# Altium PCB 通讯转换模块-V6.PcbDoc (part 2 of 2)
Units mm, origin at the board's own origin, x right, y up, seen from the top; angles counter-clockwise.
Board outline 99.4 x 81.85 mm, 2 copper layers (Top Layer, Bottom Layer), stack 1.571 mm thick; 126 components, 155 nets, 618 pads, 476 vias.
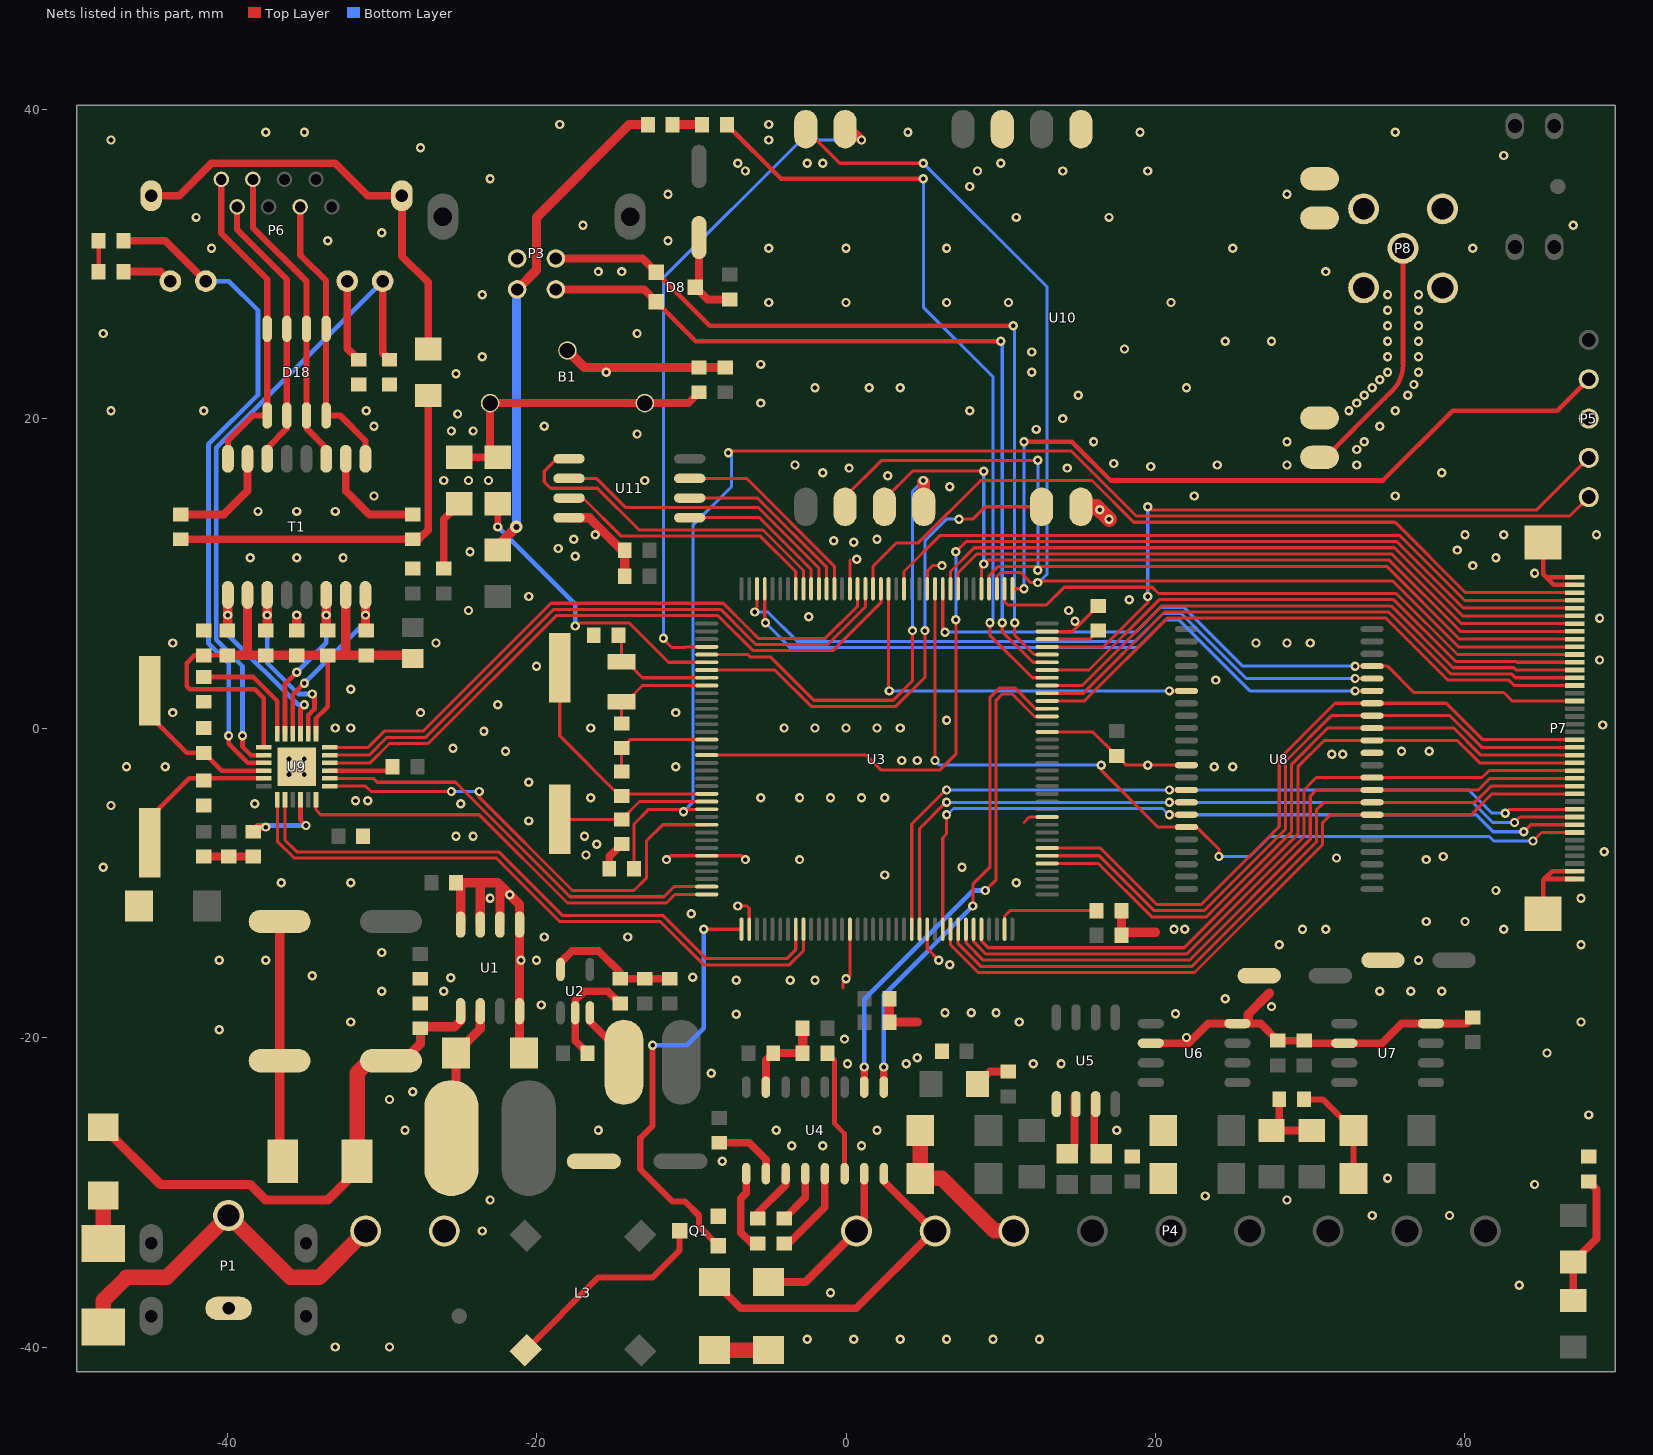
[diagram p2: the nets of this part, all layers, seen from the top]

## Via types
v1: diameter 0.6, hole 0.3, Top Layer to Bottom Layer, tented both sides, 467 vias
v2: diameter 0.8, hole 0.4, Top Layer to Bottom Layer, tented both sides, 9 vias

## Nets (pads, with @x,y where several pads share a name; then routed paths per layer and width w, separated by ;. In a path a pad name is that pad's centre, name@x,y a point inside that pad or via, vN(x,y) a via of type N, cw(c..) or ccw(c..) an arc to the next point about the centre after c; other vN are vias at no path point) (continued)
FSMC-D5: P7.10 U3.59 U8.14 | length 52.3
  Top Layer w0.2: U3.59@4.25,-13 4.25,-6.201 6.451,-4 v1(6.5,-4) ; v1(20.9,-4) U8.14@22,-4 ; v1(42.6,-5.5) 42.85,-5.25 46.95,-5.25 P7.10@46.9,-5.3
  Bottom Layer w0.2: v1@6.5,-4 v1(20.9,-4) 40.252,-4 41.751,-5.5 v1(42.6,-5.5)
FSMC-D6: P7.9 U3.60 U8.15 | length 51.2
  Top Layer w0.2: U3.60@4.75,-13 4.75,-6.501 6.451,-4.8 v1(6.5,-4.8) ; v1(20.9,-4.8) U8.15@22,-4.8 ; v1(43.2,-6.1) 43.55,-5.75 P7.9@46.95,-5.75
  Bottom Layer w0.2: v1@6.5,-4.8 v1(20.9,-4.8) 40.486,-4.8 41.786,-6.1 v1(43.2,-6.1)
FSMC-D7: P7.8 U3.63 U8.16 | length 50
  Top Layer w0.2: U3.63@6.25,-13 6.25,-7.1 6.5,-6.85 v1(6.5,-5.6) ; v1(20.9,-5.6) U8.16@22,-5.6 ; v1(43.8,-6.7) 44.25,-6.25 P7.8@46.95,-6.25
  Bottom Layer w0.2: v1(6.5,-5.6) 6.549,-5.6 6.948,-5.2 20.452,-5.2 20.852,-5.6 v1(20.9,-5.6) 40.721,-5.6 41.82,-6.7 v1(43.8,-6.7)
FSMC-D8: P7.12 U3.64 U8.29 | length 47.6
  Top Layer w0.2: U3.64@6.75,-13 6.75,-14.013 8.537,-15.8 22.525,-15.8 30.8,-7.525 30.8,-6.1 31.3,-5.6 U8.29@34,-5.6 40.4,-5.6 41.75,-4.25 P7.12@46.95,-4.25
FSMC-D9: P7.13 U3.65 U8.30 | length 47.3
  Top Layer w0.2: U3.65@7.25,-13 7.25,-13.947 8.703,-15.4 22.36,-15.4 30.4,-7.36 30.4,-5.297 30.897,-4.8 U8.30@34,-4.8 40.634,-4.8 41.684,-3.75 P7.13@46.95,-3.75
FSMC-D10: P7.14 U3.66 U8.31 | length 47
  Top Layer w0.2: U3.66@7.75,-13 7.75,-13.881 8.869,-15 22.194,-15 30,-7.194 30,-4.4 30.4,-4 U8.31@34,-4 40.868,-4 41.619,-3.25 P7.14@46.95,-3.25
FSMC-D11: P7.15 U3.67 U8.32 | length 46.5
  Top Layer w0.2: U3.67@8.25,-13 8.25,-13.816 9.034,-14.6 22.028,-14.6 29.6,-7.028 29.6,-4 30.4,-3.2 U8.32@34,-3.2 41.103,-3.2 41.553,-2.75 P7.15@46.95,-2.75
FSMC-D12: P7.16 U3.68 U8.35 | length 47.8
  Top Layer w0.2: U3.68@8.75,-13 8.75,-13.75 9.2,-14.2 21.863,-14.2 29.2,-6.863 29.2,-2.497 30.897,-0.8 U8.35@34,-0.8 39.503,-0.8 40.953,-2.25 P7.16@46.95,-2.25
FSMC-D13: P7.17 U3.77 U8.36 | length 43.7
  Top Layer w0.2: U3.77@13,-8.75 16.304,-8.75 19.754,-12.2 23.297,-12.2 28.8,-6.697 28.8,-2.331 31.132,0 U8.36@34,0 39.268,0 41.019,-1.75 P7.17@46.95,-1.75
FSMC-D14: P7.18 U3.78 U8.37 | length 44
  Top Layer w0.2: U3.78@13,-8.25 16.37,-8.25 19.92,-11.8 23.131,-11.8 28.4,-6.531 28.4,-2.166 31.366,0.8 U8.37@34,0.8 39.034,0.8 41.084,-1.25 P7.18@46.95,-1.25
FSMC-D15: P7.19 U3.79 U8.38 | length 44.4
  Top Layer w0.2: U3.79@13,-7.75 16.436,-7.75 20.086,-11.4 22.966,-11.4 28,-6.366 28,-2 31.6,1.6 U8.38@34,1.6 38.8,1.6 41.15,-0.75 P7.19@46.95,-0.75
FSMC-NBL0: U3.141 U8.39 | length 44.7
  Top Layer w0.2: U3.141@-5.25,9 -5.25,6.85 v1(-5.2,6.8) ; v1(32.9,2.401) U8.39@34,2.401
  Bottom Layer w0.2: v1(-5.2,6.8) -3.601,5.201 5.985,5.201 ; 5.986,5.2 18.851,5.2 20.652,7.001 21.5,7.001 26.101,2.401 v1(32.9,2.401)
FSMC-NBL1: U3.142 U8.40 | length 44.9
  Top Layer w0.2: v1(-5.9,7.5) -5.8,7.5 -5.75,7.55 U3.142@-5.75,9 ; v1(32.9,3.201) U8.40@34,3.201
  Bottom Layer w0.2: v1@-5.9,7.4 v1(-5.9,7.5) -5.051,7.5 -3.152,5.601 6.151,5.601 ; 6.151,5.6 18.685,5.6 20.486,7.401 21.666,7.401 25.867,3.201 v1(32.9,3.201)
FSMC-NE3: U3.125 U8.6 | length 26
  Top Layer w0.2: U3.125@2.75,9 2.75,2.45 v1(2.8,2.4) ; v1(20.9,2.401) U8.6@22,2.401
  Bottom Layer w0.2: v1@2.601,2.401 v1(20.9,2.401)
FSMC-NE4: P7.38 U3.127 | length 52.1
  Top Layer w0.2: U3.127@1.75,9 1.75,10.45 3.266,11.966 4.671,11.966 8.705,16 15.9,16 18.6,13.3 35.488,13.3 40.038,8.75 P7.38@47.1,8.75
FSMC-NOE: P7.24 U3.118 U8.41 | length 46.7
  Top Layer w0.2: U3.118@6.25,9 6.25,6.35 v1(6.4,6.2) ; v1(32.9,4.001) U8.41@34,4.001 34.999,4.001 36.7,2.3 42.5,2.3 43.05,1.75 P7.24@47.1,1.75
  Bottom Layer w0.2: v1(6.4,6.2) 18.72,6.2 20.321,7.801 21.832,7.801 25.632,4.001 v1(32.9,4.001)
FSMC-NWE: P7.7 U3.119 U8.17 | length 56.1
  Top Layer w0.2: v1(5.75,-2.1) U3.119@5.75,9 ; v1@16.5,-2.5 16.5,-2.734 20.166,-6.401 U8.17@22,-6.401 22.666,-6.401 24.1,-7.834 v1(24.1,-8.3) ; v1(44.4,-7.3) 44.95,-6.75 P7.7@46.95,-6.75
  Bottom Layer w0.2: v1(5.75,-2.1) 6.05,-2.4 v1(16.5,-2.4) ; v1(24.1,-8.3) 26.1,-8.3 27.399,-7.001 41.555,-7.001 41.854,-7.3 v1(44.4,-7.3)
GND: B1.2 C1.2 C2.2 C3.2 C4.2 C5.1 C6.1 C7.1 C8.1 C9.1 C10.1 C12.1 C13.1 C14.1 C15.1 C16.1 C17.1 C18.1 C19.1 C20.1 C23.1 C25.1 C26.1 C27.1 C28.1 C29.2 C30.2 C31.2 C32.2 C33.1 C34.1 C35.1 C36.1 C37.2 C38.2 C40.1 C41.1 C42.1 C43.2 C44.2 C45.1 C46.1 D2.1 D3.1 D4.1 D8.3 D9.1 D10.1 D12.1 D13.1 D14.1 D15.1 D16.1 D17.1 P1.2 P2.2 P3.4 P4.3 P5.3 P7.1 P7.2 P7.39 P7.40 P7.41 P7.42 P8.2 Q1.2 R2.1 R4.1 R5.1 R10.1 R19.2 R23.2 R24.2 R25.2 R26.1 R27.2 U1.4 U1.5 U1.6 U1.7 U1.8 U2.2 U3.16 U3.31 U3.38 U3.51 U3.61 U3.83 U3.94 U3.107 U3.120 U3.130 U4.15 U5.5 U6.2 U6.8 U7.2 U7.8 U8.12 U8.34 U9.25 U10.1 U10.14 U10.16 U10.17 U10.18 U10.19 U11.4 | length 190.3
  Top Layer w0.2: C29.2@-14.5,-2.8 C32.2@-14.5,-1.3 -13.95,-0.75 U3.16@-9,-0.75 ; v1(-11.6,-8.5) -11.35,-8.25 U3.31@-9,-8.25 -6.75,-8.25 v1(-6.5,-8.5) ; v1(-7,-11.5) -6.4,-11.5 -6.25,-11.65 U3.38@-6.25,-13 ; -0.2,-16.8 -0.2,-16.5 0.25,-16.05 U3.51@0.25,-13 ; U3.130@0.25,9 0.25,10.85 ; U3.61@5.25,-13 5.25,-14.25 v1(6,-15) ; U3.120@5.25,9 5.25,10.15 5.6,10.5 v1(6.2,10.5) ; 11.5,-6.1 11.85,-5.75 U3.83@13,-5.75 ; U3.94@13,-0.25 15.95,-0.25 C14.1@17.5,-1.8 18.1,-2.4 U8.12@22,-2.4 ; U3.107@13,6.25 14.65,6.25 C27.1@16.3,7.9
  Top Layer w0.3: R26.1@-48.3,29.5 R25.2@-48.3,31.5 ; P7.42@45.05,-12 45.05,-9.832 45.132,-9.75 ; P7.41@45.05,12 45.05,9.95 45.75,9.25 P7.39@47.1,9.25 ; 45.25,9.75 P7.40@47.1,9.75 ; P7.1@47.1,-9.75 45.132,-9.75 ; P7.2@47.1,-9.25 45.632,-9.25 45.132,-9.75
  Top Layer w0.4: C45.1@29.6,-24 30.8,-24 D17.1@32.8,-26 D16.1@32.8,-29.1
  Top Layer w0.5: C40.1@-41.5,-8.3 R19.2@-38.3,-8.3 ; C7.1@-16.7,-21 -17.5,-20.2 U2.2@-17.5,-18.4 -17.5,-17.6 -16.9,-17 -15.4,-17 R2.1@-14.6,-17.8 ; C28.1@-15.3,-9.1 -15.3,-8.3 C30.2@-14.5,-7.5 ; C43.2@-9.5,31.7 -9.5,28.75 D8.3@-9.75,28.5 -8.95,27.7 C8.1@-7.5,27.7 ; U4.15@-5.175,-23.2 -5.175,-21.475 C23.1@-4.7,-21 C25.1@-2.8,-21 ; U6.2@19.7,-20.365 22.135,-20.365 23.405,-19.095 U6.8@25.3,-19.095 26,-19.095 26.795,-19.095 C12.1@27.9,-20.2 C9.1@29.6,-20.2 29.765,-20.365 U7.2@32.2,-20.365 34.635,-20.365 35.905,-19.095 U7.8@37.8,-19.095 40.105,-19.095 C42.1@40.5,-18.7
  Top Layer w0.6: C2.2@-36.6,-12.5 C1.2@-36.6,-21.5 -36.6,-27.8 D2.1@-36.4,-28 ; C35.1@-35.5,6.3 v1(-35.5,7.3) ; U1.8@-24.905,-12.7 -24.905,-10.295 C10.1@-25.2,-10 -22.5,-10 -22.365,-10.135 ; U1.7@-23.635,-12.7 -23.635,-10.215 ; U1.6@-22.365,-12.7 -22.365,-10.135 ; D4.1@-21.095,-20.705 U1.4@-21.095,-18.3 U1.5@-21.095,-12.7 -21.095,-11.405 -22.365,-10.135 ; B1.2@-18,24.4 -16.9,23.3 C20.1@-9.5,23.3 C13.1@-7.8,23.3 ; U11.4@-17.9,13.595 -16.595,13.595 -14.5,11.5 R4.1@-14.3,11.5 C18.1@-14.3,9.8 ; C25.1@-2.8,-21 R5.1@-2.8,-19.4 ; C17.1@2.8,-17.5 C36.1@2.8,-19 4.6,-19 ; C26.1@17.8,-11.8 C16.1@17.8,-13.4 18,-13.2 20,-13.2 ; U6.8@26,-19.095 26,-18.5 27.374,-17.126
  Top Layer w1: D10.1@-8.5,-40.2 D9.1@-5,-40.2 ; D13.1@4.8,-26 D12.1@4.8,-29.1 6.2,-29.1 9.6,-32.5 P4.3@10.84,-32.5 ; U10.1@15.18,14.3 16.2,14.3 v1(17,13.5)
  other v1: -33,-40 -29.5,-40 -2.5,-39.5 0.5,-39.5 3.5,-39.5 6.5,-39.5 9.5,-39.5 12.5,-39.5 -1,-36.5 43.5,-36 -23.5,-32.5 34,-31.5 39,-31.5 -23,-30.5 28.5,-30.5 23.208,-30.243 44.5,-29.5 35,-29.1 -8,-28 -3.5,-27 -1.5,-27 1,-27 -28.5,-26 -16,-26 -4.5,-26 2,-26 17.5,-26 48,-25 -29.5,-24 -28,-23.5 -8.7,-22.3 0.1,-21.7 3.9,-21.7 12.1,-21.7 13.9,-21.7 4.6,-21.3 45.3,-21 -0.1,-20.1 22,-20 -40.5,-19.5 -32,-19 11.2,-19 47.5,-19 -7.1,-18.5 21.294,-18.46 6.4,-18.4 8.1,-18.4 9.7,-18.4 27.5,-18 -19.7,-17.9 24.5,-17.5 -30,-17 -26,-17 34.5,-17 36.5,-17 38.5,-17 -7.1,-16.3 -3.6,-16.3 -2,-16.3 0,-16.2 -25.54,-16.135 -9.9,-16.1 -34.5,-16 6.7,-15.3 -40.5,-15 -37.5,-15 -21,-15 -20,-15 37,-15 -30,-14.5 28,-14 47.5,-14 -19.5,-13.5 -14.1,-13.5 21.2,-13 21.9,-13 29.5,-13 31,-13 42.5,-13 37.5,-12.5 40,-12.5 -10,-12 -23,-11 47.5,-11 -21.73,-10.77 42,-10.5 -36.5,-10 -32,-10 11,-10 2.5,-9.5 -48,-9 7.5,-9 -3,-8.5 37.5,-8.5 31.7,-8.4 38.6,-8.3 -16.8,-8.2 49,-8 -16.1,-7.5 -25.2,-7 -24.1,-7 -16.9,-7 -20.5,-6 -47.5,-5 -38.2,-4.9 -24.9,-4.9 -31.7,-4.7 -30.9,-4.7 -16.5,-4.5 -5.5,-4.5 -3,-4.5 -1,-4.5 1,-4.5 2.5,-4.5 -20.5,-3.5 -36,-3 -35,-3 -46.5,-2.5 -44,-2.5 -11,-2.5 23.8,-2.5 25,-2.5 19.5,-2.4 3.6,-2.1 4.6,-2.1 -36,-2 -35,-2 31.4,-1.7 32.1,-1.7 -22,-1.5 35.9,-1.5 37.7,-1.5 -25.4,-1.3 -23.4,-0.2 -33,0 -32,0 -16.5,0 -4,0 -2,0 0,0 2,0 3.5,0 48.9,0.2 6.5,0.5 -43.5,1 -27.5,1 -11,1 -22.5,1.5 -32,2.5 23.9,3.1 -20,4 48.7,4.4 -43.5,5.5 -26.5,5.5 26.5,5.5 28.5,5.5 30,5.5 14.8,6.9 48.7,7.1 -2.4,7.2 -24.4,7.6 14.4,7.6 18.3,8.3 -20.5,8.5 44.5,10 40.5,10.5 0.7,10.9 -38.5,11 -35.5,11 -32.5,11 42,11 -17.5,11.1 -24.3,11.4 39.5,11.5 -18.6,11.6 0.5,12 -0.8,12.1 -17.6,12.2 2,12.2 -16.2,12.5 40,12.5 42.5,12.5 48.5,12.5 -38,14 -35.5,14 -33,14 16.4,14.1 -30.5,15 22.5,15 35.5,15 6.7,15.6 -26,16 -24.4,16 -23.1,16 -13,16 2.7,16.3 -1.5,16.5 38.5,16.5 0.2,16.8 14.3,16.8 19.7,16.9 -3.3,17 24,17 28.5,17 33,17 17.3,17.1 33,18 16,18.5 28.5,18.5 33.5,18.5 -13.5,19 -25.5,19.2 -24.1,19.2 12.3,19.3 -30.5,19.5 -19.5,19.5 34.5,19.5 14,20 -25.1,20.3 -47.5,20.5 -41.5,20.5 -31,20.5 8,20.5 32.5,20.5 35.5,20.5 -5.5,21 33,21 15,21.5 33.5,21.5 36.3,21.5 -2,22 1.5,22 3.5,22 22,22 34,22 36.7,22.2 34.5,22.5 -25.2,22.9 -15.5,23 12,23 35,23 37,23 -5.5,23.5 -23.5,24 35,24 37,24 12,24.3 18,24.5 24.5,25 27.5,25 35,25 37,25 -48,25.5 -13.5,25.5 35,26 37,26 35,27 37,27 -5,27.5 0,27.5 6.5,27.5 10.5,27.5 21,27.5 -23.5,28 35,28 37,28 -16,29.5 -14.5,29.5 31,29.5 -41,31 -5,31 0,31 6.5,31 25,31 40.5,31 -33.5,31.5 -11.5,31.5 -30,32 -17,32.5 47,32.5 -42,33 11,33 17,33 -11.5,34.5 28.5,34.5 8,35 -23,35.5 -6.5,36 8.5,36 14,36 19.5,36 -7,36.5 -2.5,36.5 -1.5,36.5 10,36.5 42.5,37 -27.5,37.5 -47.5,38 -5,38 -37.5,38.5 -35,38.5 4,38.5 19,38.5 35.5,38.5 -18.5,39 -5,39
IRQ: U3.4 U10.10 | length 44.2
  Top Layer w0.2: v1(-11.8,5.8) -11.8,5.751 -11.249,5.2 -10.4,5.2 -10.35,5.25 U3.4@-9,5.25
  Top Layer w0.6: U10.10@-0.06,38.7 0.3,38.7 v1(1,38)
  Bottom Layer w0.2: v1(-11.8,5.8) -11.8,29.1 -2.9,38 v1(1,38)
MDC: U3.27 U9.13 | length 30.6
  Top Layer w0.2: U9.13@-33.375,-3.75 -31.05,-3.75 -30.7,-4.1 v1(-25.5,-4.1) ; v1(-23.7,-4.1) -23.7,-4.472 -17.672,-10.5 -13.7,-10.5 -12.9,-9.7 -12.9,-7.3 -11.85,-6.25 U3.27@-9,-6.25
  Bottom Layer w0.2: v1(-25.5,-4.1) v1(-23.7,-4.1)
MDIO: U3.36 U9.12 | length 28.6
  Top Layer w0.2: U9.12@-34.25,-4.625 -34.25,-5.284 -33.934,-5.6 -23.703,-5.6 -18.003,-11.3 -11.6,-11.3 -11.05,-10.75 U3.36@-9,-10.75
MISO: P7.32 U3.112 U10.7 | length 62.1
  Top Layer w0.2: U10.7@-0.06,14.3 -0.06,14.94 2.3,17.3 v1(12.4,17.3) ; U3.112@9.25,9 9.25,9.857 9.843,10.45 34.944,10.45 39.644,5.75 P7.32@47.1,5.75
  Bottom Layer w0.2: v1(12.4,10.2) v1(12.4,17.3)
MOSI: P7.33 U3.113 U10.6 | length 55.5
  Top Layer w0.2: U10.6@2.48,14.3 2.48,14.78 4.3,16.6 v1(8.9,16.6) ; U3.113@8.75,9 8.75,10.45 v1(8.9,10.6) 9.15,10.85 35.11,10.85 39.71,6.25 P7.33@47.1,6.25
  Bottom Layer w0.2: v1(8.9,10.6) v1(8.9,16.6)
NetB1_1: B1.1 C20.2 D6.1 D7.2 | length 19.3
  Top Layer w0.5: D7.2@-25,17.5 -23,17.5 B1.1@-23,21 B1.1@-13,21 -10.2,21 C20.2@-9.5,21.7
NetC1_1: C1.1 C5.2 D1.2 D2.2 U1.1 | length 35
  Top Layer w0.6: D1.2@-48,-25.8 -44.3,-29.5 -38.5,-29.5 -37.5,-30.5 -33.5,-30.5 -31.6,-28.6 D2.2@-31.6,-28 ; C1.1@-29.4,-21.5 -28.6,-21.5 -27.5,-20.4 -27.5,-19.3 -25.3,-19.3 -24.905,-18.905 U1.1@-24.905,-18.3 U1.1@-24.905,-18.095
  Top Layer w1: D2.2@-31.6,-28 -31.6,-22.3 -30.8,-21.5 C1.1@-29.4,-21.5
NetC11_1: C11.1 R1.1 R2.2 U2.5 | length 8.8
  Top Layer w0.5: U2.5@-18.45,-15.6 -18.45,-15.15 -17.7,-14.4 -16,-14.4 -14.6,-15.8 R2.2@-14.6,-16.2 C11.1@-11.4,-16.2
NetC21_1: C21.1 U4.3 | length 3.6
  Top Layer w0.5: C21.1@-5.7,-31.7 -5.7,-31.327 -3.905,-29.532 U4.3@-3.905,-28.8
NetC21_2: C21.2 U4.1 | length 5.3
  Top Layer w0.5: U4.1@-6.445,-28.8 -6.445,-30.045 -6.8,-30.4 -6.8,-32.6 -6.1,-33.3 C21.2@-5.7,-33.3
NetC22_1: C22.1 U4.2 | length 4.4
  Top Layer w0.5: C22.1@-8.2,-26.8 -6.251,-26.8 -5.175,-27.876 U4.2@-5.175,-28.8
NetC24_1: C24.1 U4.5 | length 5.8
  Top Layer w0.5: C24.1@-4,-33.3 -3.7,-33.3 -1.365,-30.965 U4.5@-1.365,-28.8
NetC24_2: C24.2 U4.4 | length 3.5
  Top Layer w0.5: C24.2@-4,-31.7 -2.635,-30.335 U4.4@-2.635,-28.8
NetC25_2: C25.2 U4.6 | length 8.3
  Top Layer w0.3: C25.2@-1.2,-21 -0.74,-21.46 -0.74,-25.56 -0.095,-26.205 U4.6@-0.095,-28.8
NetC26_2: C26.2 U3.71 | length 6.9
  Top Layer w0.2: U3.71@10.25,-13 10.25,-12.15 10.6,-11.8 C26.2@16.2,-11.8
NetC27_2: C27.2 U3.106 | length 3.5
  Top Layer w0.2: U3.106@13,5.75 15.75,5.75 C27.2@16.3,6.3
NetC29_1: C29.1 U3.23 Y1.2 | length 15.5
  Top Layer w0.2: Y1.2@-18.5,3.9 -18.5,-0.5 -14.6,-4.4 C29.1@-14.5,-4.4 ; C29.1@-14.5,-4.3 -14.45,-4.25 U3.23@-9,-4.25
NetC30_1: C30.1 U3.24 Y1.1 | length 10
  Top Layer w0.2: Y1.1@-18.5,-5.9 C30.1@-14.5,-5.9 -13.35,-4.75 U3.24@-9,-4.75
NetC31_1: C31.1 U3.8 Y2.2 | length 7.2
  Top Layer w0.2: C31.1@-14.5,5.7 -14.5,4.6 -13.15,3.25 U3.8@-9,3.25
NetC32_1: C32.1 U3.9 Y2.1 | length 7.3
  Top Layer w0.2: C32.1@-14.5,0.3 Y2.1@-14.5,1.7 -14.2,1.7 -13.15,2.75 U3.9@-9,2.75
NetC34_2: C34.2 C35.2 I1.1 R15.2 R16.2 R17.2 R18.2 T1.2 T1.7 U9.1 U9.19 | length 38.2
  Top Layer w0.3: R18.2@-40,4.7 -42.1,4.7 -42.6,4.2 -42.6,2.7 -42.4,2.5 -38.207,2.5 -37.625,1.918 U9.1@-37.625,-1.25 ; U9.19@-34.25,-0.375 -34.25,0.624 -33.5,1.374 R16.2@-33.5,4.7
  Top Layer w0.6: R18.2@-40,4.7 R17.2@-37.5,4.7 R16.2@-33.5,4.7 R15.2@-31,4.7 -28.2,4.7 I1.1@-28,4.5 ; -38.675,4.775 T1.2@-38.675,8.735 ; -32.325,4.725 T1.7@-32.325,8.735
NetC37_1: C37.1 U9.5 Y3.2 | length 10
  Top Layer w0.3: Y3.2@-45,-7.4 -45,-5.8 -42.45,-3.25 U9.5@-37.625,-3.25
NetC38_1: C38.1 U9.4 Y3.1 | length 10.4
  Top Layer w0.3: Y3.1@-45,2.4 -45,0.8 -42.6,-1.6 C38.1@-41.5,-1.6 -40.35,-2.75 U9.4@-37.625,-2.75
NetC39_1: C39.1 R21.2 R22.1 | length 24.9
  Top Layer w0.5: R22.1@-43,12.2 R21.2@-28,12.2 -27.6,12.2 -27,12.8 C39.1@-27,21.5
NetC45_2: C45.2 R11.2 R12.1 | length 4.8
  Top Layer w0.5: C45.2@28,-24 28,-25.5 R11.2@27.5,-26 R12.1@30.1,-26
NetC46_2: C46.2 R13.2 R14.1 | length 8.5
  Top Layer w0.5: R13.2@47,-37 R14.1@47,-34.5 48.5,-33 48.5,-29.8 C46.2@48,-29.3
NetD1_1: D1.1 F1.2 | length 3.1
  Top Layer w1: F1.2@-48,-33.3 D1.1@-48,-30.2
NetD4_2: D4.2 L2.1 U1.2 | length 9
  Top Layer w0.6: L2.1@-25.5,-26.5 -25.2,-26.2 D4.2@-25.2,-21 -23.635,-19.435 U1.2@-23.635,-18.3
NetD5_1: D5.1 D19.1 P3.1 | length 32.2
  Top Layer w0.6: D5.1@-22.5,11.5 -22.5,11.8 v2(-21.3,13) ; P3.1@-21.25,28.345 -20,29.595 -20,33 -14,39 D19.1@-12.8,39
  Bottom Layer w0.6: v2(-21.3,13) -21.3,28.295 P3.1@-21.25,28.345
NetD7_1: D7.1 R3.1 | length 4.6
  Top Layer w0.5: R3.1@-26,10.3 -26,13.5 D7.1@-25,14.5
NetD8_1: D8.1 P3.3 U3.104 | length 54
  Top Layer w0.2: v1(10.9,6.8) 10.9,6 12.15,4.75 U3.104@13,4.75
  Top Layer w0.3: D8.1@-12.25,29.45 -8.8,26 v1(10.8,26)
  Top Layer w0.5: P3.3@-18.75,30.345 -13.145,30.345 D8.1@-12.25,29.45
  Bottom Layer w0.2: v1(10.8,26) 10.9,25.9 v1(10.9,6.8)
NetD8_2: D8.2 P3.2 U3.103 | length 52.7
  Top Layer w0.2: v1(10.1,6.8) 10.1,6.234 12.084,4.25 U3.103@13,4.25
  Top Layer w0.3: D8.2@-12.25,27.55 -9.7,25 v1(10,25)
  Top Layer w0.5: P3.2@-18.75,28.345 -13.045,28.345 D8.2@-12.25,27.55
  Bottom Layer w0.2: v1(10,25) 10.1,24.9 v1(10.1,6.8)
NetD11_2: D11.2 R6.1 | length 2.3
  Top Layer w0.5: D11.2@8.5,-23 9.3,-22.2 R6.1@10.5,-22.2
NetD18_1: D18.1 D18.8 P6.1 T1.16 | length 21
  Top Layer w0.4: P6.1@-40.37,35.46 -40.37,31.97 -37.405,29.005 D18.8@-37.405,25.8 D18.1@-37.405,20.2 -38.3,20.2 -39.945,18.555 T1.16@-39.945,17.265
NetD18_2: D18.2 D18.7 P6.2 T1.14 | length 18.3
  Top Layer w0.4: P6.2@-39.35,33.68 -39.35,32.215 -36.135,29 D18.7@-36.135,25.8 D18.2@-36.135,20.2 -36.135,19.365 -37.405,18.095 T1.14@-37.405,17.265
NetD18_3: D18.3 D18.6 P6.3 T1.11 | length 18.6
  Top Layer w0.4: P6.3@-38.33,35.46 -38.33,32.33 -34.865,28.865 D18.6@-34.865,25.8 D18.3@-34.865,20.2 ; D18.3@-34.865,19.365 T1.11@-33.595,18.095 ; T1.11@-33.6,17.2 -33.6,17.26 T1.11@-33.595,17.265
NetD18_4: D18.4 D18.5 P6.6 T1.9 | length 18.7
  Top Layer w0.4: P6.6@-35.27,33.68 -35.27,30.57 -33.595,28.895 D18.5@-33.595,25.8 D18.4@-33.595,20.2 -32.7,20.2 -31.055,18.555 T1.9@-31.055,17.265
NetD19_2: D19.2 R28.1 | length 1.9
  Top Layer w0.6: D19.2@-11.2,39 R28.1@-9.3,39
NetF1_1: F1.1 P1.1 P2.1 | length 23.8
  Top Layer w1: F1.1@-48,-38.7 -48,-37 -46.5,-35.5 -43.9,-35.5 P1.1@-39.9,-31.5 -35.9,-35.5 -34.04,-35.5 P2.1@-31.04,-32.5
NetL1_1: L1.1 U2.3 | length 4.5
  Top Layer w0.5: U2.3@-16.55,-18.4 -16.55,-18.95 -14.35,-21.15 L1.1@-14.35,-22
NetL3_2: L3.2 Q1.3 | length 13.9
  Top Layer w0.4: L3.2@-20.7,-40.2 -16,-35.5 -12.5,-35.5 -10.75,-33.75 Q1.3@-10.75,-32.5
NetP6_9: P6.9 R24.1 U9.2 | length 42.1
  Top Layer w0.3: v1(-39,-0.5) -39,-1.2 -38.45,-1.75 U9.2@-37.625,-1.75
  Top Layer w0.5: P6.9@-29.94,28.88 -29.94,24.24 R24.1@-29.5,23.8
  Bottom Layer w0.3: v1(-39,-0.5) -39,4 -40.7,5.7 -40.7,18.12 P6.9@-29.94,28.88
NetP6_10: P6.10 R27.1 | length 5.4
  Top Layer w0.5: P6.10@-32.23,28.88 -32.23,24.53 R27.1@-31.5,23.8
NetP6_11: P6.11 R25.1 U9.3 | length 43.2
  Top Layer w0.3: v1(-39.9,-0.5) -39.9,-1.007 -38.657,-2.25 U9.3@-37.625,-2.25
  Top Layer w0.5: R25.1@-46.7,31.5 -43.99,31.5 P6.11@-41.37,28.88
  Bottom Layer w0.3: P6.11@-41.37,28.88 -39.88,28.88 -38,27 -38,21.527 -41.2,18.327 -41.2,5.493 -39.9,4.193 v1(-39.9,-0.5)
NetP6_12: P6.12 R26.2 | length 3.3
  Top Layer w0.5: R26.2@-46.7,29.5 -44.28,29.5 P6.12@-43.66,28.88
NetP8_1: P8.1 U10.20 | length 15.9
  Top Layer w0.3: U10.20@30.6,17.5 31,17.5 34.8,21.3 35.293,21.793 ccw(c33.586,23.5) 36,23.5 P8.1@36,31
NetQ1_1: Q1.1 U3.37 | length 28.4
  Top Layer w0.2: v1(-9.2,-13) U3.37@-6.75,-13
  Top Layer w0.4: v1(-12.5,-20.5) -12.5,-25.7 -13.3,-26.5 -13.3,-28.5 -11.2,-30.6 -10.4,-30.6 -9.5,-31.5 -9.5,-32.2 Q1.1@-8.25,-33.45
  Bottom Layer w0.3: v1(-12.5,-20.5) -10.3,-20.5 -9.2,-19.4 v1(-9.2,-13)
NetR7_2: R7.2 U5.6 | length 3.9
  Top Layer w0.5: R7.2@14.3,-27.5 14.765,-27.035 U5.6@14.765,-23.8
NetR9_2: R9.2 U5.7 | length 3.9
  Top Layer w0.5: U5.7@16.035,-23.8 16.035,-27.035 R9.2@16.5,-27.5
NetR15_1: R15.1 T1.8 U9.22 | length 12.1
  Top Layer w0.3: U9.22@-35.75,-0.375 -35.75,2.15 v1(-35,2.9) ; v1@-35.05,2.95 v1@-35,3
  Top Layer w0.6: T1.8@-31.055,8.735 T1.8@-31.055,8.6 v1(-31.055,7.3) -31.055,6.355 R15.1@-31,6.3
  Bottom Layer w0.3: v1(-35,2.9) -31.055,6.845 v1(-31.055,7.3)
NetR16_1: R16.1 T1.6 U9.23 | length 11.2
  Top Layer w0.3: U9.23@-36.25,-0.375 -36.25,2.85 v1(-35.5,3.6)
  Top Layer w0.6: T1.6@-33.595,8.735 T1.6@-33.595,8.6 v1(-33.595,7.3) -33.595,6.395 R16.1@-33.5,6.3
  Bottom Layer w0.3: v1(-35.5,3.6) -33.595,5.505 v1(-33.595,7.3)
NetR17_1: R17.1 T1.3 U9.20 | length 12.1
  Top Layer w0.3: U9.20@-34.75,-0.375 -34.75,0.831 -34.35,1.231 -34.35,2.05 v1(-34.5,2.2)
  Top Layer w0.6: R17.1@-37.5,6.3 -37.405,6.395 v1(-37.405,7.3) T1.3@-37.405,8.6 T1.3@-37.405,8.735
  Bottom Layer w0.3: v1(-37.405,7.3) -37.405,4.205 -35.4,2.2 v1(-34.5,2.2)
NetR18_1: R18.1 T1.1 U9.21 | length 12.5
  Top Layer w0.3: U9.21@-35.25,-0.375 -35.25,1.25 v1(-35,1.5)
  Top Layer w0.6: R18.1@-40,6.3 -39.945,6.355 v1(-39.945,7.3) T1.1@-39.945,8.6 T1.1@-39.945,8.735
  Bottom Layer w0.3: v1(-39.945,7.3) -39.945,6.038 -35.407,1.5 v1(-35,1.5)
NetR19_1: R19.1 U9.10 | length 5.4
  Top Layer w0.3: U9.10@-35.25,-4.625 -35.25,-5.95 v1(-34.9,-6.3)
  Top Layer w0.5: R19.1@-38.3,-6.7 -38,-6.4 v1(-37.5,-6.4)
  Bottom Layer w0.3: v1(-37.5,-6.4) -37.4,-6.3 v1(-34.9,-6.3)
NetR20_1: R20.1 U9.15 | length 4.2
  Top Layer w0.3: U9.15@-33.375,-2.75 -29.55,-2.75 R20.1@-29.3,-2.5
NetR21_1: R21.1 T1.10 | length 6.9
  Top Layer w0.5: T1.10@-32.325,17.265 -32.325,15.325 -30.8,13.8 R21.1@-28,13.8
NetR22_2: R22.2 T1.15 | length 6.9
  Top Layer w0.5: R22.2@-43,13.8 -40.2,13.8 -38.675,15.325 T1.15@-38.675,17.265
NetR23_1: R23.1 U9.24 | length 7.5
  Top Layer w0.3: R23.1@-41.5,3.3 -38.3,3.3 -36.75,1.75 U9.24@-36.75,-0.375
NetR28_2: R28.2 U3.101 | length 50.4
  Top Layer w0.2: v1(9.3,6.8) 9.3,6 12.05,3.25 U3.101@13,3.25
  Top Layer w0.3: R28.2@-7.7,39 -4.2,35.5 v1(5,35.5)
  Bottom Layer w0.2: v1(5,35.5) 5,27.2 9.5,22.7 9.5,7 v1(9.3,6.8)
NRST: C28.2 P5.5 U3.25 | length 90.2
  Top Layer w0.2: C28.2@-13.7,-9.1 -13.7,-6.2 -12.75,-5.25 U3.25@-9,-5.25 ; v1@-7.4,17.9 14.566,17.9 18.766,13.7 46.78,13.7 P5.5@48,14.92
  Bottom Layer w0.2: v1(-10.5,-5.4) -9.9,-4.8 -9.9,13.1 -7.4,15.6 -7.4,17.6 v1(-7.6,17.8)
NSEL: U3.5 U10.5 | length 29.9
  Top Layer w0.2: U3.5@-9,4.75 -6.35,4.75 -6.2,4.6 -4.884,4.6 -2.084,1.8 3.049,1.8 4.3,3.051 v1(4.3,6.3)
  Top Layer w0.8: v1@5,15.9 5.02,15.88 U10.5@5.02,14.3
  Bottom Layer w0.2: v1(4.3,6.3) 4.3,15.3 v1(5,16)
PE: C39.2 P6.13 P6.14 | length 28.5
  Top Layer w0.5: P6.14@-44.9,34.4 -43.1,34.4 -41,36.5 -33,36.5 -30.9,34.4 P6.13@-28.7,34.4 -28.7,30.5 -27,28.8 C39.2@-27,24.5
REFCLKO: U3.35 U9.14 | length 27.8
  Top Layer w0.2: U9.14@-33.375,-3.25 -30.55,-3.25 -30.3,-3.5 -25.237,-3.5 -17.837,-10.9 -11.766,-10.9 -11.116,-10.25 U3.35@-9,-10.25
RS232-RXD: U3.97 U4.9 | length 32.5
  Top Layer w0.2: v1(8.2,-11.5) 8.2,-10.1 9.3,-9 9.3,1.966 9.934,2.6 10.9,2.6 12.25,1.25 U3.97@13,1.25
  Top Layer w0.5: U4.9@2.445,-23.2 v1(2.445,-21.9)
  Bottom Layer w0.3: v1(2.445,-21.9) 2.445,-17.255 v1(8.2,-11.5)
RS232-TXD: U3.96 U4.10 | length 33.1
  Top Layer w0.2: v1(9,-10.5) 9.7,-9.8 9.7,1.8 10.1,2.2 10.735,2.2 12.185,0.75 U3.96@13,0.75
  Top Layer w0.5: U4.10@1.175,-23.2 v1(1.175,-21.9)
  Bottom Layer w0.3: v1(1.175,-21.9) 1.175,-17.525 8.2,-10.5 v1(9,-10.5)
RST: P7.37 U3.123 | length 47.2
  Top Layer w0.2: U3.123@3.75,9 3.75,10.116 6.084,12.45 35.773,12.45 39.973,8.25 P7.37@47.1,8.25
RXD: D10.2 P4.2 U4.8 | length 22
  Top Layer w0.5: D10.2@-8.5,-35.8 -6.8,-37.5 0.664,-37.5 5.664,-32.5 2.445,-29.281 U4.8@2.445,-28.8
RXD0: U3.44 U9.8 | length 40.4
  Top Layer w0.2: U9.8@-36.25,-4.625 -36.25,-7.25 -35.5,-8 -22.434,-8 -18.334,-12.1 -11.834,-12.1 -9.034,-14.9 -3.834,-14.9 -3.25,-14.316 U3.44@-3.25,-13
RXD1: U3.45 U9.7 | length 41.8
  Top Layer w0.2: U9.7@-36.75,-4.625 -36.75,-7.316 -35.666,-8.4 -22.6,-8.4 -18.5,-12.5 -12,-12.5 -9.2,-15.3 -3.669,-15.3 -2.75,-14.381 U3.45@-2.75,-13
SCK: P7.31 U3.111 U10.9 | length 79.5
  Top Layer w0.2: U10.9@-2.6,38.7 -0.4,36.5 v1(5,36.5) ; U3.111@9.75,9 9.75,9.792 10.008,10.05 11.299,10.05 11.949,9.4 v1(12.4,9.4) 12.5,9.5 35.328,9.5 39.578,5.25 P7.31@47.1,5.25
  Bottom Layer w0.2: v1(5,36.5) 13,28.5 13,9.951 12.449,9.4 v1(12.4,9.4)
SDN: U3.7 U10.2 | length 33.2
  Top Layer w0.2: U3.7@-9,3.75 -4.6,3.75 -2.25,1.4 3.214,1.4 5.1,3.286 v1(5.1,6.3) v1@5.1,6.4 ; v1(7.3,13.5) 8.2,13.5 9,14.3 U10.2@12.64,14.3
  Bottom Layer w0.2: v1(5.1,6.3) 5.1,12.1 6.5,13.5 v1(7.3,13.5)
SPI-C\S\: U3.136 U11.1 | length 22.9
  Top Layer w0.2: U11.1@-17.9,17.405 -18.695,17.405 -19.5,16.6 -19.5,15.9 -19.1,15.5 -16.066,15.5 -13.366,12.8 -5.366,12.8 -2.75,10.184 U3.136@-2.75,9
SPI-CLK: U3.133 U11.6 | length 12.1
  Top Layer w0.2: U11.6@-10.1,14.865 -5.731,14.865 -1.25,10.384 U3.133@-1.25,9
SPI-DI: U3.134 U11.2 | length 19.9
  Top Layer w0.2: U11.2@-17.9,16.135 -16.135,16.135 -14.26,14.26 -5.692,14.26 -1.75,10.319 U3.134@-1.75,9
SPI-DO: U3.135 U11.5 | length 10.5
  Top Layer w0.2: U11.5@-10.1,13.595 -5.595,13.595 -2.25,10.25 U3.135@-2.25,9
SPI-H\O\L\D\: U3.132 U11.7 | length 13.2
  Top Layer w0.2: U11.7@-10.1,16.135 -6.435,16.135 -0.75,10.45 U3.132@-0.75,9
SPI-W\P\: U3.137 U11.3 | length 17.7
  Top Layer w0.2: U11.3@-17.9,14.865 -16.996,14.865 -14.531,12.4 -5.531,12.4 -3.25,10.119 U3.137@-3.25,9
SWCLK: P5.2 U3.109 | length 50.5
  Top Layer w0.2: U3.109@10.75,9 v1(11.5,9)
  Top Layer w0.3: v1(11.5,18.5) 14.602,18.5 17.102,16 34.7,16 39.2,20.5 45.96,20.5 P5.2@48,22.54
  Bottom Layer w0.2: v1(11.5,9) v1(11.5,18.5)
SWDIO: P5.4 U3.105 | length 43.6
  Top Layer w0.2: U3.105@13,5.25 16.638,5.25 19.5,8.112 v1(19.5,8.5) ; v1(19.5,14.3) 19.7,14.1 44.64,14.1 P5.4@48,17.46
  Bottom Layer w0.2: v1(19.5,8.5) v1@19.5,14.1
TXD: D9.2 P4.1 U4.7 | length 11
  Top Layer w0.5: D9.2@-5,-35.8 -2.62,-35.8 P4.1@0.68,-32.5 1.175,-32.005 U4.7@1.175,-28.8
TXD0: U3.128 U9.17 | length 41.6
  Top Layer w0.2: U9.17@-33.375,-1.75 -30.816,-1.75 -29.666,-0.6 -27.166,-0.6 -18.897,7.669 -8.103,7.669 -6.4,5.966 -6.397,5.966 -5.831,5.4 -1.169,5.4 1.25,7.819 U3.128@1.25,9
TXD1: U3.129 U9.18 | length 40.9
  Top Layer w0.2: U9.18@-33.375,-1.25 -30.881,-1.25 -29.831,-0.2 -27.331,-0.2 -19.063,8.069 -7.937,8.069 -6.269,6.4 -6.266,6.4 -5.666,5.8 -1.334,5.8 0.75,7.884 U3.129@0.75,9
TXEN: U3.126 U9.16 | length 42.7
  Top Layer w0.2: U9.16@-33.375,-2.25 -30.75,-2.25 -29.5,-1 -27,-1 -18.731,7.269 -8.269,7.269 -6,5 -0.85,5 2.25,8.1 U3.126@2.25,9
VBAT: D6.2 U3.6 | length 19.6
  Top Layer w0.2: v1(-17.5,6.6) -17.3,6.8 -14.02,6.8 -11.47,4.25 U3.6@-9,4.25
  Top Layer w0.4: v1(-22.5,13) D6.2@-22.5,14.5
  Bottom Layer w0.3: v1(-22.5,13) -17.5,8 v1(-17.5,6.6)
按键-上: P7.28 U3.100 | length 38
  Top Layer w0.2: U3.100@13,2.75 15.27,2.75 20.42,7.9 35.231,7.9 39.231,3.9 43.163,3.9 43.313,3.75 P7.28@47.1,3.75
按键-下: P7.29 U3.102 | length 37.7
  Top Layer w0.2: U3.102@13,3.75 15.704,3.75 20.254,8.3 35.397,8.3 39.397,4.3 43.328,4.3 43.378,4.25 P7.29@47.1,4.25
按键-中: P7.27 U3.99 | length 38
  Top Layer w0.2: U3.99@13,2.25 15.335,2.25 20.585,7.5 35.066,7.5 39.066,3.5 42.997,3.5 43.247,3.25 P7.27@47.1,3.25
按键-右: P7.30 U3.110 | length 40.1
  Top Layer w0.2: U3.110@10.25,9 10.25,8.15 10.45,7.95 12.95,7.95 14.1,9.1 19.8,9.1 20.2,8.7 35.563,8.7 39.513,4.75 P7.30@47.1,4.75
按键-左: P7.26 U3.98 | length 38.1
  Top Layer w0.2: U3.98@13,1.75 15.401,1.75 20.751,7.1 34.9,7.1 38.9,3.1 42.831,3.1 43.181,2.75 P7.26@47.1,2.75
背光使能: P7.36 U3.18 | length 72.1
  Top Layer w0.2: U3.18@-9,-1.75 1.3,-1.75 2.25,-2.7 6.1,-2.7 7.1,-1.7 v1(7.1,7) ; v1(7.1,11.4) 7.75,12.05 35.607,12.05 39.907,7.75 P7.36@47.1,7.75
  Bottom Layer w0.2: v1(7.1,7) v1(7.1,11.4)
触摸CS: P7.34 U3.116 | length 43.3
  Top Layer w0.2: U3.116@7.25,9 7.25,10.05 8.45,11.25 35.275,11.25 39.775,6.75 P7.34@47.1,6.75
触摸中断: P7.35 U3.117 | length 43.9
  Top Layer w0.2: U3.117@6.75,9 6.75,10.116 8.284,11.65 35.441,11.65 39.841,7.25 P7.35@47.1,7.25
pads on no net: L3.3 L3.4 N1.1 N2.1 P1.3 P3.5 P6.4 P6.5 P6.7 P6.8 T1.4 T1.5 T1.12 T1.13 U3.2 U3.19 U3.20 U3.21 U3.22 U3.26 U3.28 U3.29 U3.34 U3.40 U3.41 U3.42 U3.46 U3.47 U3.75 U3.76 U3.91 U3.92 U3.93 U3.122 U3.124 U4.11 U4.12 U4.13 U4.14

## Polygon pours and split planes (outlines as drawn)
GND on Bottom Layer "Bottom Layer-No Net" (solid, remove dead copper, pour order 8): -49.7,40.25 -49.7,-41.6 49.7,-41.6 49.7,40.25
GND on Top Layer "Bottom Layer-No Net" (solid, remove dead copper, pour order 10): -49.7,40.25 -49.7,-41.6 49.7,-41.6 49.7,40.25

## Keep-outs
Keep-Out Layer:
  circle w0.1: c43,-17 r1.05
  circle w0.1: c-44.5,17 r1.05
  circle w0.1: c-44.5,-17 r1.05
  circle w0.1: c-42.5,25 r1.6
  circle w0.1: c42.5,25 r1.6
  circle w0.1: c42.5,-25 r1.6
  circle w0.1: c-42.5,-25 r1.6
  circle w0.1: c43,17 r1.05
  lines w0.1: -49.7,-41.6 49.7,-41.6 49.7,40.25 -49.7,40.25 -49.7,-41.6

## Other copper
Top Layer:
  region net 5V: -9.5,37.5 -11.9,37.5 -12.4,37 -12.4,35.9 -12,35.5 -9.8,35.5
  region net 5V: -31,-12 -31,-11.5 -29.7,-10.2 -28.3,-10.2 -28,-10.5 -28,-12 -25.54,-14.46 -25.54,-14.6 -27.72,-14.6 -29,-13.32 -29,-13.2
  region net 3.3V: -8.2,-25.6 -11.7,-25.6 -12,-25.3 -12,-23.5 -11.6,-23.1 -6.545,-23.1 -6.445,-23.2
  region net 5V: -20.2,-22.8 -21.2,-22.8 -22,-22 -22,-15.5 -23.5,-14 -26.7,-14 -26.78,-13.92 -26.38,-13.92 -22.9,-17.4 -22.9,-24.1 -21.8,-25.2
  region net 3.3V: 46.2,-7.1 45.3,-7.1 45.1,-7.3 45.1,-7.731 45.269,-7.9 46.2,-7.9
  region net 3.3V: -12,-25.3 -12,-27.8 -11.8,-28 -11.7,-27.9 -9.7,-27.9 -9.5,-27.7 -9.5,-25.3
  region net 5V: -18,-21.1 -18,-23.8 -18.2,-24 -19.2,-24 -19.2,-23.4 -19.6,-23
  pour cut-out: 43,-18.7 cw(c43,-17) 41.3,-17 cw(c43,-17) 43,-15.3 cw(c43,-17) 44.7,-17 cw(c43,-17)
  pour cut-out: -44.5,15.3 ccw(c-44.5,17) -42.8,17 ccw(c-44.5,17) -44.5,18.7 ccw(c-44.5,17) -46.2,17 ccw(c-44.5,17)
  pour cut-out: -44.5,-18.7 ccw(c-44.5,-17) -42.8,-17 ccw(c-44.5,-17) -44.5,-15.3 ccw(c-44.5,-17) -46.2,-17 ccw(c-44.5,-17)
  pour cut-out: 38.5,25 ccw(c42.5,25) 42.5,21 ccw(c42.5,25) 46.5,25 ccw(c42.5,25) 42.5,29 ccw(c42.5,25)
  pour cut-out: 38.5,-25 ccw(c42.5,-25) 42.5,-29 ccw(c42.5,-25) 46.5,-25 ccw(c42.5,-25) 42.5,-21 ccw(c42.5,-25)
  pour cut-out: -46.5,-25 ccw(c-42.5,-25) -42.5,-29 ccw(c-42.5,-25) -38.5,-25 ccw(c-42.5,-25) -42.5,-21 ccw(c-42.5,-25)
  pour cut-out: -46.5,25 ccw(c-42.5,25) -42.5,21 ccw(c-42.5,25) -38.5,25 ccw(c-42.5,25) -42.5,29 ccw(c-42.5,25)
  pour cut-out: 43,18.7 ccw(c43,17) 41.3,17 ccw(c43,17) 43,15.3 ccw(c43,17) 44.7,17 ccw(c43,17)
Bottom Layer:
  rectangle net 5V: -29.6,-11.3 -28.2,26
  region net 5V: -29.6,-11.3 -29.6,-11.5 -29.5,-11.6 -28.3,-11.6 -28.2,-11.5 -28.2,-11.3
  region net 5V: -29.6,26 -18.5,37.1 -11.2,37.1 -11.1,37 -11.1,35.9 -11.2,35.8 -17.7,35.8 -28.2,25.3
  pour cut-out: 43,-20 cw(c43,-17) 40,-17 cw(c43,-17) 43,-14 cw(c43,-17) 46,-17 cw(c43,-17)
  pour cut-out: -44.5,14 ccw(c-44.5,17) -41.5,17 ccw(c-44.5,17) -44.5,20 ccw(c-44.5,17) -47.5,17 ccw(c-44.5,17)
  pour cut-out: -44.5,-20 ccw(c-44.5,-17) -41.5,-17 ccw(c-44.5,-17) -44.5,-14 ccw(c-44.5,-17) -47.5,-17 ccw(c-44.5,-17)
  pour cut-out: 38.5,25 ccw(c42.5,25) 42.5,21 ccw(c42.5,25) 46.5,25 ccw(c42.5,25) 42.5,29 ccw(c42.5,25)
  pour cut-out: 38.5,-25 ccw(c42.5,-25) 42.5,-29 ccw(c42.5,-25) 46.5,-25 ccw(c42.5,-25) 42.5,-21 ccw(c42.5,-25)
  pour cut-out: -46.5,-25 ccw(c-42.5,-25) -42.5,-29 ccw(c-42.5,-25) -38.5,-25 ccw(c-42.5,-25) -42.5,-21 ccw(c-42.5,-25)
  pour cut-out: -46.5,25 ccw(c-42.5,25) -42.5,21 ccw(c-42.5,25) -38.5,25 ccw(c-42.5,25) -42.5,29 ccw(c-42.5,25)
  pour cut-out: 43,20 ccw(c43,17) 40,17 ccw(c43,17) 43,14 ccw(c43,17) 46,17 ccw(c43,17)

## Silkscreen, mask and mechanical layers (free items; w line width, h text height)
Top Overlay:
  circle w0.2: c43,-17 r1.7
  circle w0.2: c-44.5,17 r1.7
  circle w0.2: c-44.5,-17 r1.7
  circle w0.2: c43,17 r1.7
  text "BOOT1" at 49.3,35.2 h1.8 r90
  text "BOOT0" at 40.9,35.1 h1.8 r90
  text "ON=1" at 45.8,28.2 h1.8
  text "OFF=0" at 44.9,26.7 h1.8
  text "3.3V" at 46.4,23.9 h1.4 r90
  text "SWCLK" at 43.1,22.1 h1.4
  text "GND" at 44.5,19.5 h1.4
  text "SWDIO" at 46.44,15.9 h1.4 r90
  text "NRST" at 43.9,14.5 h1.4
Bottom Overlay:
  circle w0.2: c43,-17 r3
  circle w0.2: c-44.5,17 r3
  circle w0.2: c-44.5,-17 r3
  circle w0.2: c43,17 r3
  text "RS-232" at 10,-29.9 h3
  text "RS-485" at 22.6,-30 h3
  text "CAN1" at 31.5,-30 h3
  text "CAN2" at 41.8,-30 h3
  text "DC24V" at -25,-30.3 h3
  text "TXD" at 0,-37.5 h2 r270
  text "RXD" at 5.1,-37.5 h2 r270
  text "GND" at 10.2,-37.5 h2 r270
  text "485-A" at 15.2,-39.5 h2 r270
  text "485-B" at 20.3,-39.5 h2 r270
  text "24V" at -31.8,-40 h2 r270
  text "GND" at -26.7,-40 h2 r270
  text "CAN1-H" at 25.4,-40.5 h2 r270
  text "CAN1-L" at 30.5,-40.5 h2 r270
  text "CAN2-H" at 35.6,-40.5 h2 r270
  text "CAN2-L" at 40.7,-40.5 h2 r270
Mechanical 15:
  lines w0.1: -109,0 122,0 ; -54,-43.4 52,-43.4 ; -54,43.4 52,43.4 ; -52,41.7 54,41.7 ; -45.3,-47.3 -45.3,44.6 ; 0,-103 0,85 ; 45.3,-47.3 45.3,44.6
  lines w0.2: -61.3,28.4 69.1,28.4 ; -52.4,-51 -52.4,55 ; -50.5,-51 -50.5,55 ; -49.8,-161.3 38.2,-161.3 ; -49.8,-155.3 38.2,-155.3 ; -49.8,-149.3 38.2,-149.3 ; -49.8,-143.3 38.2,-143.3 ; -49.8,-137.3 38.2,-137.3 ; -49.8,-131.3 38.2,-131.3 ; -49.8,-125.3 38.2,-125.3 ; -27.8,-167.3 -27.8,-119.3 -27.8,-113.3 ; -49.8,-119.3 -49.8,-113.3 38.2,-113.3 38.2,-119.3 ; -49.8,-119.3 38.2,-119.3 ; -49.8,-119.3 -49.8,-167.3 38.2,-167.3 38.2,-119.3
  text "公司" at -48.8,-118.3 h5
  text "杭州久天科技有限公司" at -24.8,-118.3 h5
  text "工程" at -48.8,-124.3 h5
  text "设计" at -48.8,-130.3 h5
  text "邵宁鹏" at -24.8,-130.3 h5
  text "日期" at -48.8,-136.3 h5
  text "板厚" at -48.8,-142.3 h5
  text "1.6mm" at -24.8,-142.3 h5
  text "阻焊油" at -48.8,-148.3 h5
  text "绿色" at -24.8,-148.3 h5
  text "丝印" at -48.8,-154.3 h5
  text "白色" at -24.8,-154.3 h5
  text "板材" at -48.8,-160.3 h5
  text "FR-4" at -24.8,-160.3 h5
  text "其他" at -48.8,-166.3 h5
  text "有铅喷锡，过孔盖油" at -24.8,-166.3 h5

## Dimensions
49.7,-41.6 to 49.7,40.25 on Mechanical 15
-49.7,-41.6 to 49.7,-41.6 on Mechanical 15

## Text inside footprints (layer, text, board x,y; h text height)
P6: Top Overlay "G" at -42.1,32.6 h2 r180; Top Overlay "Y" at -30.6,32.6 h2 r180
S1: Top Overlay "1" at 43.02,32.4 h2